# KiCad board GPDI_ULX3S_panel.kicad_pcb (continued)
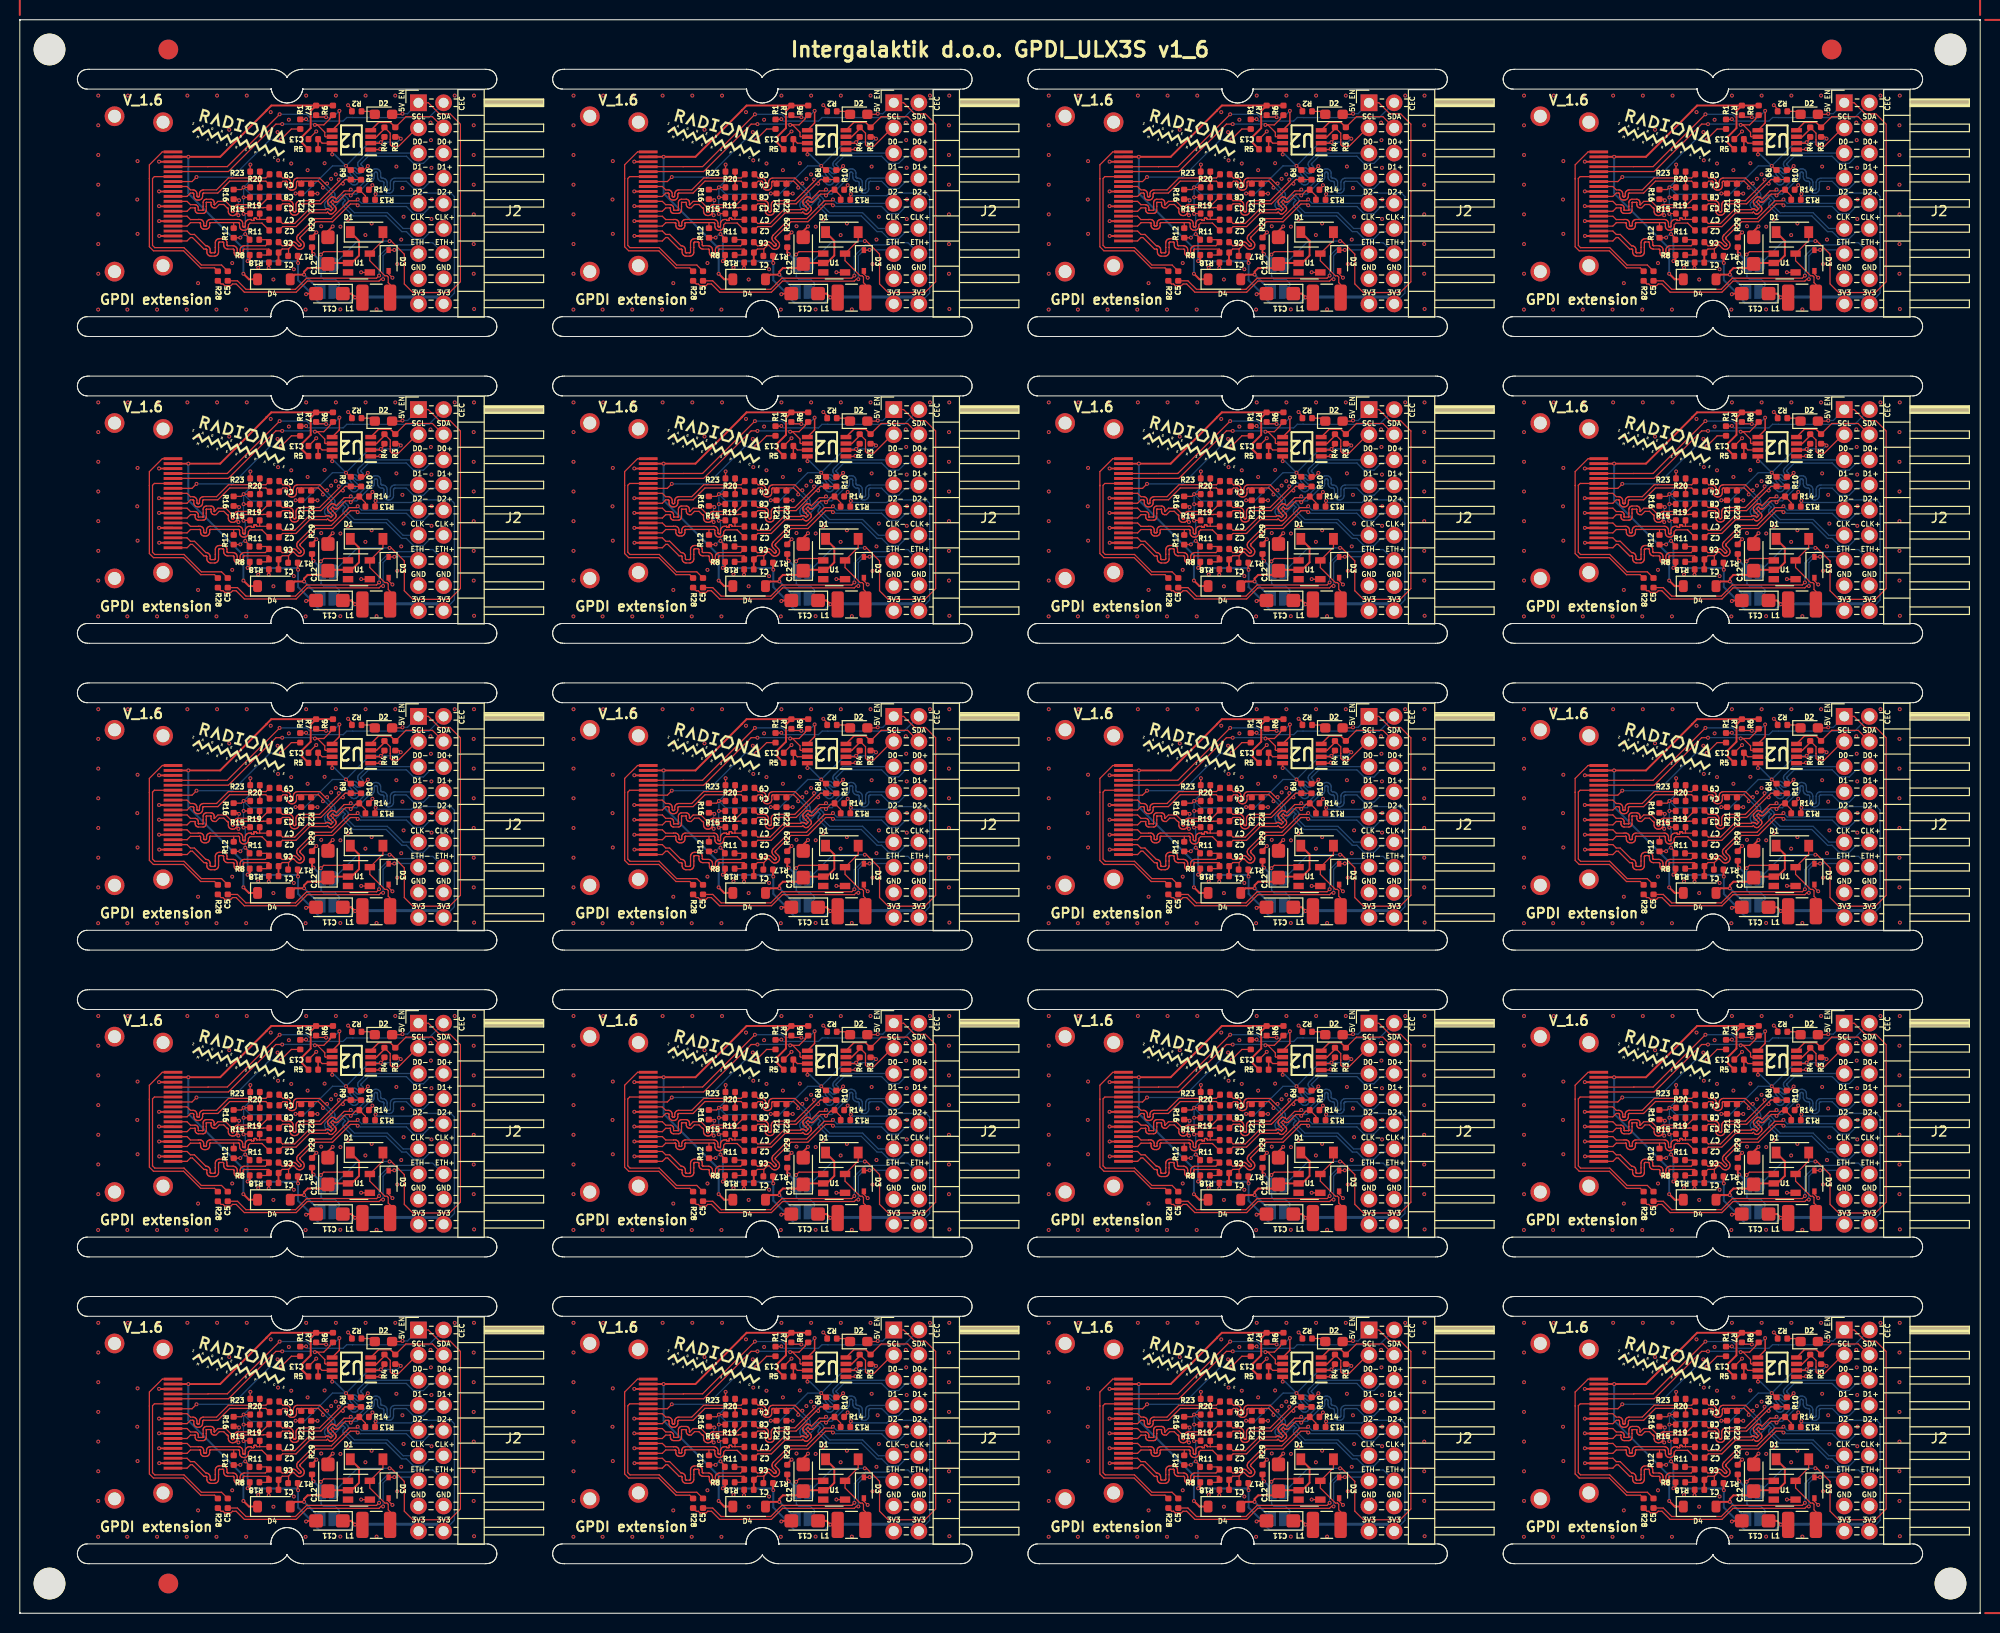
[diagram p0: board, top side]
## Routing (per net, layer and track width the routed paths; a pad name or vN(x,y) marks a point on that pad's centre or on a via; arc(x,y) is an arc through that point) (continued)
  Bottom w0.127: J2#10.5 131.08,23.53 130.23,22.68 130.18,22.62 130.14,22.54 130.12,22.45 130.12,22.37 130.14,22.28 130.18,22.21 130.23,22.14 130.36,22.01 130.37,21.99 130.38,21.97 130.39,21.95 130.39,21.93 130.38,21.91 130.37,21.9 130.36,21.88 130.29,21.81 130.28,21.8 130.26,21.79 130.24,21.78 130.22,21.78 130.2,21.79 130.18,21.8 130.16,21.81 130.03,21.94 129.97,21.99 129.89,22.03 129.8,22.05 129.72,22.05 129.63,22.03 129.56,21.99 129.49,21.94 129.45,21.9 129.39,21.83 129.35,21.74 129.33,21.65 129.33,21.55 129.35,21.45 129.39,21.37 129.45,21.29 129.87,20.88 129.89,20.85 129.9,20.82 129.91,20.79 129.91,20.76 129.9,20.73 129.89,20.7 129.87,20.68 129.84,20.66 129.81,20.64 129.78,20.64 129.75,20.64 129.72,20.64 129.69,20.66 129.67,20.68 129.25,21.09 129.18,21.15 129.09,21.19 129,21.22 128.9,21.22 128.8,21.19 128.72,21.15 128.64,21.09 128.41,20.86 v1(128.22,20.86)
Board_18-GPDI_D1+: length 26.6
  Top w0.127: C2#4.1 122.54,16.1 123.9,16.1 125.29,17.49 126.99,17.49 127.08,17.58 127.21,17.46 127.26,17.42 127.32,17.39 127.39,17.37 127.46,17.37 127.52,17.39 127.58,17.42 127.63,17.46 127.86,17.68 127.9,17.74 127.93,17.8 127.95,17.86 127.95,17.93 127.93,17.99 127.9,18.06 127.86,18.11 127.62,18.35 127.63,18.36 127.41,18.58 127.61,18.78 127.73,18.66 127.79,18.61 127.85,18.59 127.91,18.57 127.98,18.57 128.04,18.59 128.1,18.61 128.16,18.66 128.89,19.39 129.29,19.39 v1(129.42,19.25) 129.91,19.74 130.19,19.74 R14.1 130.91,19.21 R13#20.2
  Bottom w0.127: v1(129.42,19.25) 129.56,19.39 130.03,19.39 131.31,20.68 131.34,20.68 131.44,20.69 131.54,20.72 131.62,20.78 131.7,20.85 131.75,20.93 131.78,21.03 131.8,21.13 131.8,21.45 131.8,21.49 131.81,21.53 131.83,21.56 131.86,21.58 131.89,21.6 131.92,21.62 131.96,21.62 132,21.62 132.03,21.6 132.06,21.58 132.09,21.56 132.11,21.53 132.12,21.49 132.13,21.45 132.13,21.13 132.14,21.03 132.17,20.93 132.23,20.85 132.3,20.78 132.38,20.72 132.48,20.69 132.58,20.68 132.61,20.68 132.65,20.67 132.68,20.66 132.71,20.64 132.74,20.61 132.76,20.58 132.77,20.55 132.78,20.51 132.78,19.94 132.79,19.84 132.82,19.74 132.88,19.65 132.95,19.58 133.03,19.53 133.13,19.49 133.23,19.48 133.29,19.48 133.39,19.49 133.49,19.53 133.57,19.58 133.65,19.65 133.7,19.74 133.73,19.84 133.75,19.94 133.75,20.51 133.75,20.55 133.76,20.58 133.78,20.61 133.81,20.64 133.84,20.66 133.87,20.67 133.91,20.68 135.04,20.68 135.76,19.95 136.76,19.95 137.48,20.68 138.48,20.68 J2#10.8
Board_18-GPDI_D1-: length 21
  Top w0.127: v1(129.42,19.85) 129.29,19.71 128.76,19.71 127.94,18.89 127.82,19.02 127.77,19.06 127.71,19.09 127.64,19.11 127.57,19.11 127.51,19.09 127.45,19.06 127.39,19.02 127.17,18.79 127.13,18.74 127.1,18.68 127.08,18.62 127.08,18.55 127.1,18.48 127.13,18.42 127.17,18.37 127.41,18.13 127.4,18.12 127.62,17.9 127.42,17.7 127.3,17.82 127.24,17.86 127.18,17.89 127.12,17.91 127.05,17.91 126.98,17.89 126.92,17.86 126.87,17.82 126.86,17.81 125.16,17.81 123.77,16.42 122.54,16.42 C7#15.1
  Bottom w0.127: J2#10.7 133.88,21 133.78,20.98 133.68,20.95 133.6,20.9 133.53,20.82 133.47,20.74 133.44,20.64 133.43,20.54 133.43,19.97 133.42,19.93 133.41,19.89 133.39,19.86 133.36,19.84 133.33,19.82 133.3,19.8 133.26,19.8 133.22,19.8 133.19,19.82 133.16,19.84 133.13,19.86 133.11,19.89 133.1,19.93 133.1,19.97 133.1,20.54 133.08,20.64 133.05,20.74 133,20.82 132.92,20.9 132.84,20.95 132.74,20.98 132.64,21 132.61,21 132.57,21 132.54,21.01 132.51,21.03 132.48,21.06 132.46,21.09 132.45,21.12 132.45,21.16 132.45,21.48 132.43,21.58 132.4,21.68 132.35,21.77 132.27,21.84 132.19,21.89 132.09,21.93 131.99,21.94 131.93,21.94 131.83,21.93 131.73,21.89 131.65,21.84 131.58,21.77 131.52,21.68 131.49,21.58 131.48,21.48 131.48,21.16 131.47,21.12 131.46,21.09 131.44,21.06 131.41,21.03 131.38,21.01 131.35,21 131.31,21 131.18,21 129.89,19.71 129.56,19.71 v1(129.42,19.85)
Board_18-GPDI_D2+: length 22.7
  Top w0.127: C1#18.1 122.5,13.84 123.14,13.84 ; 123.14,13.84 123.14,13.19 R17#6.2 ; 123.14,13.84 123.49,14.19 123.51,14.21 123.54,14.22 123.57,14.23 123.6,14.23 123.63,14.22 123.66,14.21 123.69,14.19 123.96,13.92 124.03,13.86 124.12,13.82 124.21,13.79 124.31,13.79 124.4,13.82 124.49,13.86 124.57,13.92 124.6,13.96 124.67,14.03 124.71,14.12 124.73,14.21 124.73,14.31 124.71,14.41 124.67,14.49 124.6,14.57 124.34,14.84 124.32,14.86 124.3,14.89 124.3,14.92 124.3,14.95 124.3,14.98 124.32,15.01 124.34,15.04 125.89,16.59 127.59,16.59 129.39,18.39 129.99,18.39 v1(130.12,18.25)
  Top w0.2: R18#10.1 122.13,13.47 C1#18.1
  Bottom w0.127: v1(130.12,18.25) 130.27,18.25 130.38,18.14 135.04,18.14 135.76,17.41 136.76,17.41 137.48,18.14 138.48,18.14 J2#10.10
Board_18-GPDI_D2-: length 17.8
  Top w0.127: v1(130.12,18.85) 129.99,18.71 129.26,18.71 127.46,16.91 125.76,16.91 124.09,15.24 124.03,15.17 123.99,15.08 123.97,14.98 123.97,14.89 123.99,14.79 124.03,14.71 124.09,14.63 124.36,14.36 124.38,14.34 124.39,14.31 124.4,14.28 124.4,14.25 124.39,14.22 124.38,14.19 124.36,14.16 124.34,14.14 124.31,14.13 124.28,14.12 124.25,14.12 124.21,14.13 124.19,14.14 124.16,14.16 123.89,14.43 123.82,14.49 123.73,14.53 123.64,14.56 123.54,14.56 123.44,14.53 123.36,14.49 123.28,14.43 123.01,14.16 122.5,14.16 C6#11.1
  Bottom w0.127: v1(130.12,18.85) 130.52,18.46 J2#10.9
Board_18-GPDI_ETH+: length 25.7
  Top w0.127: v1(132.29,11.15) 132.03,10.89 124.97,10.89 123.84,9.77 118.84,9.77 117.98,10.62 C5#19.1
  Bottom w0.127: v1(132.29,11.15) 132.29,13.13 133.41,14.25 135.65,14.25 135.87,14.47 137.71,14.47 J2#10.14
Board_18-GPDI_ETH-: length 24.8
  Top w0.127: R28#12.2 116.32,10.31 116.52,10.31 116.69,10.14 117.31,10.14 117.48,10.31 117.85,10.31 118.68,9.48 123.91,9.48 125.03,10.6 132.29,10.6 132.48,10.79 v1(132.69,10.79) ; 133.25,13.72 133.8,13.72 v1(133.82,13.75)
  Bottom w0.127: J2#10.13 135.89,13.75 v1(133.82,13.75) 133.27,13.75 132.69,13.16 132.69,10.79 v1(132.69,10.79)
Board_18-GPDI_SCL: length 21.1
  Top w0.127: U2#20.6 126.87,25.18 126.8,25.25 126.8,25.63 126.05,26.38 v1(125.8,26.38) 126.7,26.38 127.32,27 127.32,27.06 R6#15.2 ; P1#20.15 111.48,21.67 117.07,21.67 121.86,26.46 v1(122.5,26.46)
  Bottom w0.127: v1(125.8,26.38) 125.71,26.47 122.51,26.47 v1(122.5,26.46)
Board_18-GPDI_SDA: length 22.8
  Top w0.127: P1#20.16 115.01,22.15 115.02,22.17 116.96,22.17 v1(122.24,27.45) ; R7#12.2 126.11,27.18 126.91,27.18 v1(126.93,27.16)
  Top w0.15: U2#20.5 128.27,26.57 v1(128.27,27.8)
  Bottom w0.127: v1(128.27,27.8) 127.58,27.1 126.99,27.1 v1(126.93,27.16) 126.92,27.17 125.25,27.17 124.97,27.45 v1(122.24,27.45)
Board_18-Net-(D1-A): length 8.1
  Top w0.127: L1#11.2 133.4,10.25 133.21,10.44 133.21,11.01 133.08,11.13 132.87,11.13 131.35,12.66 U1#3.5 132.67,14.7 D1#6.2
Board_18-Net-(D1-K): length 13.2
  Top w0.2: D4#14.2 123.78,11.25 v1(124.71,11.25) 124.71,11.55 125.07,11.91 126.7,11.91 C12.1 127.22,12.43 U1#3.2 129.51,12.43 130.26,13.18 130.26,14.66 D1#6.1
  Bottom w0.2: JP2#10.1 126.37,9.59 v1(124.71,11.25)
Board_18-Net-(D2-K): length 1.5
  Top w0.127: R2#16.1 131.55,27.75 D2#11.1
Board_18-Net-(U2-VREF2): length 2.6
  Top w0.127: C13#6.1 126.53,24.53 U2#20.7
  Top w0.15: R5#5.2 C13#6.1
Board_18-PMOD_SCL: length 8.1
  Top w0.127: R4#15.2 133.41,25.55 133.41,24.88 133.41,24.88 133.41,24.38 133.59,24.21 134.25,24.21 136.11,26.07 J2#10.3 135.88,25.69
  Top w0.15: U2#20.3 132.03,25.18 132.82,25.98 R4#15.2
Board_18-PMOD_SDA: length 8.8
  Top w0.127: R3#18.2 135,27.21 137.67,27.21 J2#10.4
  Top w0.15: U2#20.4 132.24,26.63 133.43,26.63 R3#18.2
Board_19-5V_ENABLE: length 54.8
  Top w0.127: v1(174.41,13.28) 174.7,13.57 176.95,13.57 U1.1 ; D2#13.2 182.59,27.45 v1(182.65,27.51) ; 183.8,28.15 J2#2.1 185.26,28.62 186.39,27.49 187.46,27.49 188.5,26.45 188.5,10.53 187.41,9.44 183.7,9.44 182.83,10.31 182.83,13.32 181.51,14.64 v1(181.34,14.64)
  Top w0.2: v1(173.66,13.33) 173.51,13.48 R29#18.1
  Bottom w0.127: v1(174.41,13.28) 174.41,13.01 174.42,13 JP1#8.2 174.43,12.25 174.43,11.03 174.44,11.03 174.68,10.79 175.86,10.79 176.26,10.39 176.26,10.13 JP2#14.2 ; v1(182.65,27.51) 183.16,27.51 J2#2.1 ; JP1#8.1 178.12,14.64 v1(181.34,14.64)
  Bottom w0.2: JP1#8.2 174.42,12.57 v1(173.66,13.33)
  Bottom w0.5: JP1#8.2 JP1#8.1
Board_19-+3V3: length 87.4
  Top w0.127: v1(182.47,24.99) 182.3,25.16 R3#6.1 ; R15#16.1 166.62,17.42 v1(166.59,17.39) ; v1(171.85,19.45) R21#11.1 ; R12#20.1 166.26,14.97 v1(166.27,14.99) ; R9#3.1 177.36,21.82 v1(176.94,22.24) ; R16#15.1 166.38,19.85 v1(166.6,20.07) R20#20.1 ; v1(166.77,15.35) 167.21,14.91 R11#4.1 ; v1(180.47,24.63) 180.82,24.99 R4.1 ; R19#2.1 v1(166.6,19.06) ; R23#3.1 167.27,22.35 v1(167.29,22.37) ; v1(179.93,19.38) 179.88,19.33 R13#3.1 ; L1#2.1 177.88,8.93 v1(177.86,8.95)
  Top w0.15: v1(180.47,24.63) 180.37,24.53 U2#11.2 ; v1(175.55,23.4) 175.54,23.41 U2#11.8
  Top w0.2: v1(172.1,12.43) 172.07,12.46 R17.1 ; v1(167.01,12.62) 167.23,12.84 R8#18.1 ; v1(177.86,8.95) 177.48,9.33 C11#19.1
  Bottom w0.127: v1(179.93,19.38) 180.08,19.23 183.56,19.23 183.83,19.5 187.54,19.5 187.89,19.14 187.89,9.38 J2#2.18 ; v1(167.29,22.37) 167.29,20.75 v1(166.6,20.07) ; v1(166.27,14.99) 166.63,15.35 v1(166.77,15.35) 166.77,17.22 v1(166.59,17.39) 166.59,19.05 v1(166.6,19.06) v1(166.6,20.07) ; v1(166.6,20.07) 167.3,19.37 171.77,19.37 v1(171.85,19.45) 172.79,19.45 175.58,22.24 v1(176.94,22.24) 179.34,24.63 v1(180.47,24.63) 182.12,24.63 v1(182.47,24.99)
  Bottom w0.15: v1(176.94,22.24) 175.78,23.4 v1(175.55,23.4)
  Bottom w0.2: v1(166.77,15.35) 167.01,15.11 v1(167.01,12.62) 167.03,12.6 171.93,12.6 v1(172.1,12.43) 172.1,10.68 173.65,9.14 173.65,9 174.24,8.41 177.32,8.41 v1(177.86,8.95)
  Bottom w0.3: v1(177.86,8.95) 177.9,8.99 186.11,8.99 J2#2.18
Board_19-+5V: length 39.3
  Top w0.2: R6#10.1 R7#8.1 ; R7#8.1 173.38,27.79 173.38,26.06 172.53,25.2 172.53,24.55 R5#3.1 ; R7#8.1 169.4,28.34 168.92,27.85 168.92,27.83 164.24,23.15 v1(161.02,23.15) P1#16.18 ; v1(166.58,11.34) 167.14,10.78 D4#4.1
  Bottom w0.2: v1(161.02,23.15) 161.02,19.46 166.58,13.9 v1(166.58,11.34)
Board_19-/CEC: length 15.1
  Top w0.127: P1#16.13 161.39,20.65 v1(161.85,21.11) ; R1#5.1 171.43,25.97 v1(170.37,24.91)
  Bottom w0.127: v1(170.37,24.91) 169.28,24.91 165.47,21.11 v1(161.85,21.11)
Board_19-/CLK+: length 12.1
  Top w0.127: C4#10.2 168.85,20.7 165.2,20.7 164,19.5 162.58,19.5 162.55,19.49 162.53,19.48 162.51,19.47 162.49,19.45 162.48,19.43 162.47,19.4 162.46,19.38 162.46,19.19 162.45,19.1 162.42,19.02 162.37,18.94 162.31,18.87 162.23,18.82 162.14,18.79 162.05,18.78 161.98,18.78 161.89,18.79 161.8,18.82 161.73,18.87 161.66,18.94 161.61,19.02 161.58,19.1 161.57,19.19 161.57,19.38 161.57,19.4 161.56,19.43 161.55,19.45 161.53,19.47 161.51,19.48 161.48,19.49 161.45,19.5 161.23,19.5 160.89,19.15 P1#16.10
  Top w0.15: R20#20.2 168.24,20.66
Board_19-/CLK-: length 12.2
  Top w0.127: 168.26,21.02 165.07,21.02 163.87,19.81 162.56,19.81 162.46,19.8 162.38,19.77 162.3,19.72 162.23,19.66 162.19,19.58 162.15,19.49 162.14,19.4 162.14,19.22 162.14,19.19 162.13,19.17 162.12,19.15 162.1,19.13 162.08,19.11 162.05,19.1 162.03,19.1 162.01,19.1 161.98,19.1 161.96,19.11 161.93,19.13 161.92,19.15 161.9,19.17 161.89,19.19 161.89,19.22 161.89,19.4 161.88,19.49 161.85,19.58 161.8,19.66 161.74,19.72 161.66,19.77 161.57,19.8 161.48,19.81 161.23,19.81 160.89,20.15 P1#16.12 ; 168.26,21.02 168.24,21.03 R23#3.2 ; 168.26,21.02 168.85,21.02 C9#12.2
Board_19-/D0+: length 15.7
  Top w0.127: P1#16.7 160.89,17.65 161.23,18 161.67,18 161.68,17.99 161.69,17.99 161.7,17.99 161.7,17.98 161.71,17.97 161.71,17.97 161.71,17.96 161.71,17.78 161.72,17.7 161.74,17.63 161.79,17.57 161.84,17.51 161.9,17.47 161.97,17.45 162.05,17.44 162.49,17.44 162.57,17.45 162.64,17.47 162.7,17.51 162.76,17.57 162.8,17.63 162.82,17.7 162.83,17.78 162.83,18.15 162.83,18.51 162.83,18.52 162.84,18.53 162.84,18.54 162.85,18.54 162.85,18.55 162.86,18.55 162.87,18.55 163.27,18.55 163.28,18.55 163.29,18.55 163.3,18.54 163.3,18.54 163.31,18.53 163.31,18.52 163.31,18.51 163.31,18.33 163.32,18.26 163.35,18.19 163.39,18.12 163.44,18.07 163.5,18.03 163.58,18 163.65,18 163.8,18 164.14,18.34 164.6,18.34 164.93,18.01 164.96,18 164.99,17.99 165.01,17.98 165.03,17.96 165.04,17.93 165.05,17.91 165.06,17.88 165.06,17.64 165.07,17.55 165.1,17.46 165.15,17.38 165.22,17.31 165.3,17.26 165.38,17.23 165.48,17.22 165.53,17.22 165.62,17.23 165.71,17.26 165.79,17.31 165.86,17.38 ; 165.86,17.38 165.91,17.46 165.94,17.55 165.95,17.64 165.95,17.88 165.95,17.91 165.96,17.93 165.98,17.96 166,17.98 166.02,17.99 166.05,18 166.08,18.01 166.15,18.01 166.18,18 166.2,17.99 166.23,17.98 166.25,17.96 166.26,17.93 166.27,17.91 166.28,17.88 166.28,17.87 166.28,17.84 166.29,17.82 166.3,17.79 166.32,17.77 166.35,17.76 166.37,17.75 166.4,17.75 166.43,17.75 166.46,17.76 166.48,17.77 166.5,17.79 166.52,17.82 166.53,17.84 166.53,17.87 166.53,17.88 166.53,17.91 166.54,17.93 166.56,17.96 166.58,17.98 166.6,17.99 166.63,18 166.66,18.01 168.57,18.01 168.59,18.03 C3#13.2 ; 165.86,17.38 165.95,17.38 v1(166.08,17.25) ; v1(166.15,18.76) 166.03,18.88 R16#15.2
  Bottom w0.127: v1(166.08,17.25) 166.08,18.7 v1(166.15,18.76)
Board_19-/D0-: length 14.1
  Top w0.127: 169.13,19.06 C8.2 168.39,18.33 166.05,18.33 165.96,18.31 165.87,18.28 165.79,18.23 165.72,18.17 165.67,18.09 165.64,18 165.63,17.91 165.63,17.67 165.63,17.64 165.62,17.61 165.6,17.59 165.58,17.57 165.56,17.55 165.53,17.54 165.5,17.54 165.47,17.54 165.45,17.55 165.42,17.57 165.4,17.59 165.39,17.61 165.38,17.64 165.38,17.67 165.38,17.91 165.37,18 165.33,18.09 165.28,18.17 164.8,18.65 164.01,18.65 163.67,18.31 163.66,18.32 163.65,18.32 163.65,18.32 163.64,18.33 163.64,18.34 163.63,18.34 163.63,18.35 163.63,18.53 163.62,18.61 163.6,18.68 163.56,18.74 163.5,18.8 163.44,18.84 163.37,18.86 163.29,18.87 162.85,18.87 162.78,18.86 162.7,18.84 162.64,18.8 162.59,18.74 162.55,18.68 162.52,18.61 162.51,18.53 162.51,18.15 162.51,18.15 162.51,17.8 162.51,17.79 162.51,17.78 162.5,17.77 162.5,17.77 162.49,17.76 162.48,17.76 162.47,17.76 162.07,17.76 162.06,17.76 162.05,17.76 162.05,17.77 162.04,17.77 162.03,17.78 162.03,17.79 162.03,17.8 162.03,17.98 162.02,18.05 162,18.12 161.96,18.19 161.9,18.24 161.84,18.28 161.77,18.31 161.69,18.31 161.23,18.31 160.89,18.65 P1#16.9
  Top w0.15: R19#2.2 168.22,18.34 168.2,18.33
Board_19-/D1+: length 12.6
  Top w0.127: C2#20.2 168.45,16.46 167.26,16.46 167.09,16.29 167.09,16.15 167.08,16.05 167.05,15.97 167,15.89 166.93,15.82 166.85,15.77 166.76,15.74 166.67,15.73 166.62,15.73 166.52,15.74 166.44,15.77 166.36,15.82 166.29,15.89 166.24,15.97 166.21,16.05 166.2,16.15 166.2,16.38 166.19,16.41 166.18,16.43 166.17,16.46 166.15,16.48 166.13,16.49 166.1,16.5 166.07,16.51 163.27,16.51 163.25,16.5 163.23,16.5 163.21,16.49 163.19,16.47 163.18,16.45 163.18,16.43 163.17,16.41 163.17,16.23 163.16,16.14 163.14,16.06 163.09,15.99 163.03,15.93 162.95,15.88 162.87,15.85 162.79,15.84 162.64,15.84 162.56,15.85 162.48,15.88 162.4,15.93 162.34,15.99 162.29,16.06 162.27,16.14 162.26,16.23 162.26,16.41 162.25,16.43 162.25,16.45 162.23,16.47 162.22,16.49 162.2,16.5 162.18,16.5 162.16,16.51 162.15,16.5 161.23,16.5 160.89,16.15 P1#16.4 ; 165.6,15.94 165.6,16.49
Board_19-/D1-: length 12.8
  Top w0.127: C7#11.2 169.16,16.83 168.23,16.83 ; 168.23,16.83 167.97,16.83 167.95,16.83 167.94,16.83 167.92,16.84 167.91,16.85 167.9,16.87 167.9,16.88 167.9,16.91 167.89,16.93 167.88,16.94 167.87,16.96 167.86,16.96 167.84,16.97 167.82,16.97 167.72,16.97 167.7,16.97 167.68,16.96 167.67,16.96 167.66,16.94 167.65,16.93 167.65,16.91 167.64,16.9 167.64,16.78 167.64,16.76 167.64,16.75 167.63,16.74 167.62,16.74 167.61,16.73 167.6,16.73 167.59,16.73 167.44,16.73 167.43,16.73 167.42,16.73 167.41,16.74 167.4,16.74 167.39,16.75 167.39,16.76 167.39,16.79 167.38,16.8 167.38,16.81 167.37,16.81 167.36,16.82 167.35,16.82 167.34,16.83 167.19,16.83 167.1,16.81 167.01,16.78 166.93,16.73 166.86,16.67 166.81,16.59 166.78,16.5 166.77,16.41 166.77,16.17 166.77,16.15 166.76,16.12 166.74,16.09 166.72,16.07 166.7,16.06 166.67,16.05 166.64,16.05 166.61,16.05 166.59,16.06 166.56,16.07 166.54,16.09 166.53,16.12 166.52,16.15 166.52,16.17 166.52,16.41 166.51,16.5 166.47,16.59 166.42,16.67 166.36,16.73 166.28,16.78 166.19,16.81 166.1,16.83 163.24,16.83 163.16,16.82 163.08,16.79 163,16.74 162.94,16.68 162.89,16.61 162.87,16.52 162.86,16.44 162.86,16.25 162.85,16.23 162.85,16.21 162.83,16.2 162.82,16.18 162.8,16.17 162.78,16.16 162.76,16.16 162.67,16.16 162.65,16.16 162.63,16.17 162.61,16.18 162.59,16.2 162.58,16.21 162.58,16.23 162.57,16.25 162.57,16.44 162.56,16.52 162.54,16.61 162.49,16.68 162.43,16.74 162.35,16.79 162.27,16.82 162.19,16.83 162.03,16.83 162.02,16.81 161.23,16.81 160.89,17.15 P1#16.6 ; 168.23,16.83 R15#16.2
Board_19-/D2+: length 15
  Top w0.127: R8#18.2 168.92,13.23 C1#3.2 169.17,13.8 169.14,13.83 166.65,13.83 166.62,13.82 166.6,13.79 166.58,13.77 166.57,13.74 166.57,13.71 166.57,13.5 166.56,13.4 166.52,13.31 166.47,13.23 166.4,13.16 166.32,13.1 166.23,13.07 166.13,13.06 166.08,13.06 165.98,13.07 165.89,13.1 165.81,13.16 165.74,13.23 165.69,13.31 165.66,13.4 165.64,13.5 165.64,13.71 165.64,13.74 165.63,13.77 165.61,13.79 165.59,13.82 165.56,13.83 165.01,13.83 164.91,13.84 164.83,13.88 164.75,13.92 164.68,13.99 164.63,14.07 164.6,14.16 164.59,14.25 164.59,14.44 164.59,14.47 164.58,14.49 164.57,14.51 164.55,14.53 164.53,14.54 164.51,14.55 164.48,14.55 164.18,14.55 164.16,14.55 164.14,14.54 164.11,14.53 164.1,14.51 164.08,14.49 164.08,14.47 164.07,14.44 164.07,14 164.07,13.53 164.06,13.44 164.03,13.35 163.98,13.27 163.92,13.21 163.84,13.16 163.75,13.13 163.66,13.12 163.31,13.12 163.21,13.13 163.13,13.16 163.05,13.21 162.98,13.27 162.93,13.35 162.9,13.44 162.89,13.53 162.89,13.73 162.89,13.75 162.88,13.77 162.87,13.79 162.85,13.81 162.83,13.82 162.81,13.83 162.78,13.83 162.6,13.83 161.43,15 161.24,15 160.89,14.65 P1#16.1
Board_19-/D2-: length 14.8
  Top w0.127: P1#16.3 160.89,15.65 161.23,15.31 161.63,15.31 162.78,14.17 162.81,14.17 162.9,14.16 162.99,14.13 163.07,14.08 163.13,14.01 163.18,13.93 163.21,13.84 163.22,13.75 163.22,13.56 163.23,13.54 163.23,13.51 163.25,13.49 163.26,13.48 163.28,13.46 163.31,13.45 163.33,13.45 163.63,13.45 163.66,13.45 163.68,13.46 163.7,13.48 163.72,13.49 163.73,13.51 163.74,13.54 163.74,13.56 163.74,14 163.74,14.47 163.75,14.56 163.78,14.65 163.83,14.73 163.9,14.79 163.98,14.84 164.06,14.87 164.16,14.88 164.51,14.88 164.6,14.87 164.69,14.84 164.77,14.79 164.83,14.73 164.88,14.65 164.91,14.56 164.92,14.47 164.92,14.27 164.93,14.25 164.93,14.23 164.95,14.21 164.96,14.19 164.99,14.18 165.01,14.17 165.03,14.17 165.53,14.17 165.63,14.16 165.72,14.12 165.8,14.07 165.87,14 165.92,13.92 165.95,13.83 165.96,13.73 165.96,13.52 165.97,13.49 165.98,13.46 165.99,13.43 166.02,13.41 166.04,13.39 166.07,13.38 166.11,13.38 166.14,13.38 166.17,13.39 166.19,13.41 166.22,13.43 166.23,13.46 166.24,13.49 166.25,13.52 166.25,13.73 166.26,13.83 166.29,13.92 166.34,14 166.41,14.07 166.49,14.12 166.59,14.16 166.68,14.17 168.8,14.17 C6#6.2 168.91,14.78 R11#4.2
Board_19-/ETH+: length 17.6
  Top w0.127: C5#12.2 164.38,12.22 162.34,12.22 160.58,13.98 157.63,13.98 157.4,14.2 157.4,20.97 157.59,21.15 P1#16.14
Board_19-/ETH-: length 19.2
  Top w0.127: 157.09,20.93 157.09,20.97 ; 157.09,20.93 157.09,22.35 158.39,23.65 P1#16.19 ; 157.09,20.93 157.09,14.07 157.5,13.66 160.54,13.66 162.27,11.93 163.67,11.93 R28#15.1
Board_19-GND: length 17.5
  Top w0.127: R2#19.2 177.54,27.98 v1(177.15,28.37) ; R10#12.2 178.75,21.82 v1(179.15,22.22) ; v1(173.94,25.72) 173.94,25.72 C13#12.2 ; v1(179.61,20.29) 179.61,20.19 R14#5.2 ; v1(178.47,11.49) 178.49,11.47 U1.4 ; v1(181.63,10.94) 181.25,11.32 D3#13.2 ; R22#9.2 174.06,19.44 v1(174.07,19.44)
  Top w0.15: U2#11.1 180.35,23.88 v1(180.4,23.94)
  Top w0.2: v1(175.6,16.12) 175.12,15.64 C12#20.2 ; P1#16.2 158.08,15.15 v1(158.08,15.16) ; v1(158.07,16.66) 158.07,16.65 P1#16.5 ; R18#8.2 169.16,11.94 v1(169.14,11.93) ; v1(172.91,9.27) 172.97,9.33 C11#19.2 ; P1#16.8 158.08,18.15 v1(158.06,18.18) ; v1(173.95,15.52) 173.51,15.08 R29#18.2 ; v1(158.06,22.67) 158.07,22.65 P1#16.17 ; v1(158.06,19.66) 158.07,19.65 P1#16.11
  In1.Cu w0.5: 184.38,10.72 J2#2.15
  vias: v1(151.92,29.34) v1(151.92,26.34) v1(151.92,23.34) v1(151.92,20.34) v1(151.92,17.34) v1(151.92,14.34) v1(151.92,11.34) v1(151.91,7.72) v1(154.92,29.34) v1(154.86,7.72) v1(155.89,22.72) v1(155.86,18.84) v1(155.89,15.37) v1(157.92,29.34) v1(157.86,7.72) v1(160.92,29.34) v1(160.86,7.72) v1(162.02,25.97) v1(162,10.39) v1(163.92,29.34) v1(163.86,7.72) v1(165.15,25.89) v1(165.45,12.42) v1(166.92,29.34) v1(166.86,7.72) v1(168.08,11.94) v1(169.34,27.67) v1(169.61,10.76) v1(170.03,25.65) v1(170.08,22.8) v1(171.17,26.9) v1(171.41,22.48) v1(171.68,11.79) v1(172.92,29.34) v1(172.86,7.72) v1(173.07,21.81) v1(174.44,16.14) v1(174.78,22.51) v1(175.44,20.93) v1(175.92,29.34) v1(175.91,21.38) v1(176.38,16.1) v1(176.37,7.74) v1(177.14,16.81) v1(178.92,29.34) v1(178.9,15.25) v1(179.53,16.42) v1(180.03,7.74) v1(181.92,29.34) v1(182.03,22.17) v1(182.12,12.32) v1(182.52,14.79) v1(182.64,20) v1(182.76,17.1) v1(185.48,26.61) v1(185.52,24.84) v1(185.57,22.05) v1(185.6,18.85) v1(185.58,16.87) v1(187.92,29.34) v1(189.84,26.34) v1(189.84,23.34) v1(189.84,20.34) v1(189.84,17.34) v1(189.84,14.34) v1(189.84,11.34) v1(189.87,29.34) v1(189.88,7.78)
Board_19-GPDI_CEC: length 15.3
  Top w0.127: v1(172.91,26.96) 172.89,26.94 R1#5.2
  Bottom w0.127: J2#2.2 185.31,27.12 177.61,27.12 177.6,27.13 177.02,27.13 176.66,26.77 173.1,26.77 v1(172.91,26.96)
Board_19-GPDI_CLK+: length 24.8
  Top w0.127: 172.44,20.69 172.42,20.67 R21#11.2 ; 172.44,20.69 172.09,20.69 172.06,20.69 172.03,20.68 172,20.66 171.98,20.64 171.96,20.61 171.95,20.58 171.95,20.55 171.95,20.22 171.94,20.12 171.9,20.03 171.85,19.95 171.78,19.88 171.7,19.83 171.61,19.8 171.51,19.79 171.46,19.79 171.36,19.8 171.27,19.83 171.19,19.88 171.12,19.95 171.07,20.03 171.04,20.12 171.03,20.22 171.03,20.55 171.02,20.58 171.01,20.61 171,20.64 170.97,20.66 170.95,20.68 170.92,20.69 170.89,20.69 170.57,20.69 C4#10.1 ; 172.44,20.69 173.43,20.69 ; v1(174.62,20.04) 174.62,20.23 174.16,20.69 173.43,20.69 ; 173.42,20.69 R22#9.1
  Bottom w0.127: v1(174.62,20.04) 174.81,20.04 175.46,19.39 175.48,19.36 175.49,19.33 175.5,19.29 175.5,19.26 175.49,19.22 175.48,19.19 175.46,19.16 174.91,18.61 174.85,18.53 174.8,18.44 174.78,18.34 174.78,18.24 174.8,18.14 174.85,18.05 174.91,17.97 174.95,17.93 175.03,17.86 175.12,17.82 175.22,17.8 175.32,17.8 175.42,17.82 175.51,17.86 175.59,17.93 176.62,18.95 176.63,18.96 176.63,18.96 176.64,18.96 176.65,18.96 176.65,18.96 176.66,18.96 176.67,18.95 176.85,18.77 176.86,18.76 176.86,18.75 176.86,18.75 176.86,18.74 176.86,18.73 176.86,18.72 176.85,18.72 176.73,18.59 176.68,18.53 176.65,18.47 176.63,18.39 176.63,18.32 176.65,18.25 176.68,18.18 176.73,18.12 177.66,17.19 180.99,17.19 182.58,15.6 183.04,15.6 183.76,14.87 184.76,14.87 185.48,15.6 186.48,15.6 J2#2.12
Board_19-GPDI_CLK-: length 21
  Top w0.127: C9#12.1 170.57,21.01 170.91,21.01 171.01,21 171.1,20.97 171.18,20.92 171.25,20.85 171.3,20.77 171.34,20.68 171.35,20.58 171.35,20.25 171.35,20.21 171.36,20.18 171.38,20.16 171.4,20.14 171.43,20.12 171.46,20.11 171.49,20.1 171.52,20.11 171.55,20.12 171.57,20.14 171.6,20.16 171.61,20.18 171.62,20.21 171.63,20.25 171.63,20.58 171.64,20.68 171.67,20.77 171.72,20.85 171.79,20.92 171.87,20.97 171.96,21 172.06,21.01 174.29,21.01 174.84,20.46 v1(175.03,20.46)
  Bottom w0.127: J2#2.11 182.71,15.91 181.12,17.51 177.79,17.51 176.97,18.33 176.96,18.34 176.96,18.35 176.96,18.35 176.96,18.36 176.96,18.37 176.96,18.37 176.97,18.38 177.09,18.51 177.14,18.57 177.17,18.63 177.19,18.71 177.19,18.78 177.17,18.85 177.14,18.92 177.09,18.98 176.88,19.19 176.82,19.24 176.75,19.27 176.68,19.29 176.61,19.29 176.53,19.27 176.47,19.24 176.41,19.19 175.39,18.17 175.36,18.15 175.33,18.13 175.29,18.13 175.25,18.13 175.22,18.13 175.18,18.15 175.15,18.17 175.13,18.2 175.12,18.24 175.11,18.27 175.11,18.31 175.12,18.34 175.13,18.38 175.15,18.41 175.7,18.95 175.76,19.03 175.81,19.13 175.83,19.23 175.83,19.33 175.81,19.43 175.76,19.52 175.7,19.6 175.03,20.27 v1(175.03,20.46)
Board_19-GPDI_D0+: length 26.3
  Top w0.127: C3#13.1 170.53,18.4 171.15,18.4 171.18,18.4 171.21,18.39 171.24,18.37 171.26,18.35 171.28,18.32 171.29,18.29 171.29,18.26 171.29,17.69 171.3,17.59 171.34,17.5 171.39,17.42 171.46,17.35 171.54,17.3 171.63,17.27 171.73,17.26 171.78,17.26 171.88,17.27 171.97,17.3 172.05,17.35 172.12,17.42 172.17,17.5 172.2,17.59 172.21,17.69 172.21,18.26 172.22,18.29 172.23,18.32 172.24,18.35 172.26,18.37 172.29,18.39 172.32,18.4 172.35,18.4 174.4,18.4 176.44,20.44 v1(176.63,20.44) 176.63,20.63 176.86,20.85 R9#3.2 178.46,20.85 R10#12.1
  Bottom w0.127: v1(176.63,20.44) 176.63,20.63 176.85,20.85 176.87,20.87 176.9,20.88 176.93,20.89 176.96,20.89 176.99,20.88 177.02,20.87 177.05,20.85 177.46,20.43 177.54,20.37 177.62,20.33 177.72,20.31 177.82,20.31 177.91,20.33 178,20.37 178.07,20.43 178.11,20.47 178.17,20.55 178.21,20.63 178.24,20.73 178.24,20.83 178.21,20.92 178.17,21.01 178.11,21.08 177.7,21.5 177.68,21.52 177.66,21.55 177.66,21.58 177.66,21.61 177.66,21.64 177.68,21.67 177.7,21.7 177.71,21.71 177.73,21.72 177.75,21.72 177.77,21.72 177.79,21.72 177.81,21.71 177.82,21.7 177.95,21.57 178.02,21.51 178.1,21.48 178.18,21.46 178.27,21.46 178.35,21.48 178.43,21.51 178.5,21.57 178.6,21.67 178.66,21.74 178.7,21.82 178.71,21.9 178.71,21.99 178.7,22.07 178.66,22.15 178.6,22.22 178.47,22.35 178.46,22.36 178.45,22.38 178.45,22.4 178.45,22.42 178.45,22.44 178.46,22.46 178.47,22.47 179.22,23.22 183.04,23.22 183.76,22.49 184.76,22.49 185.48,23.22 186.48,23.22 J2#2.6
